# KiCad board AudioYM2151V2.kicad_pcb
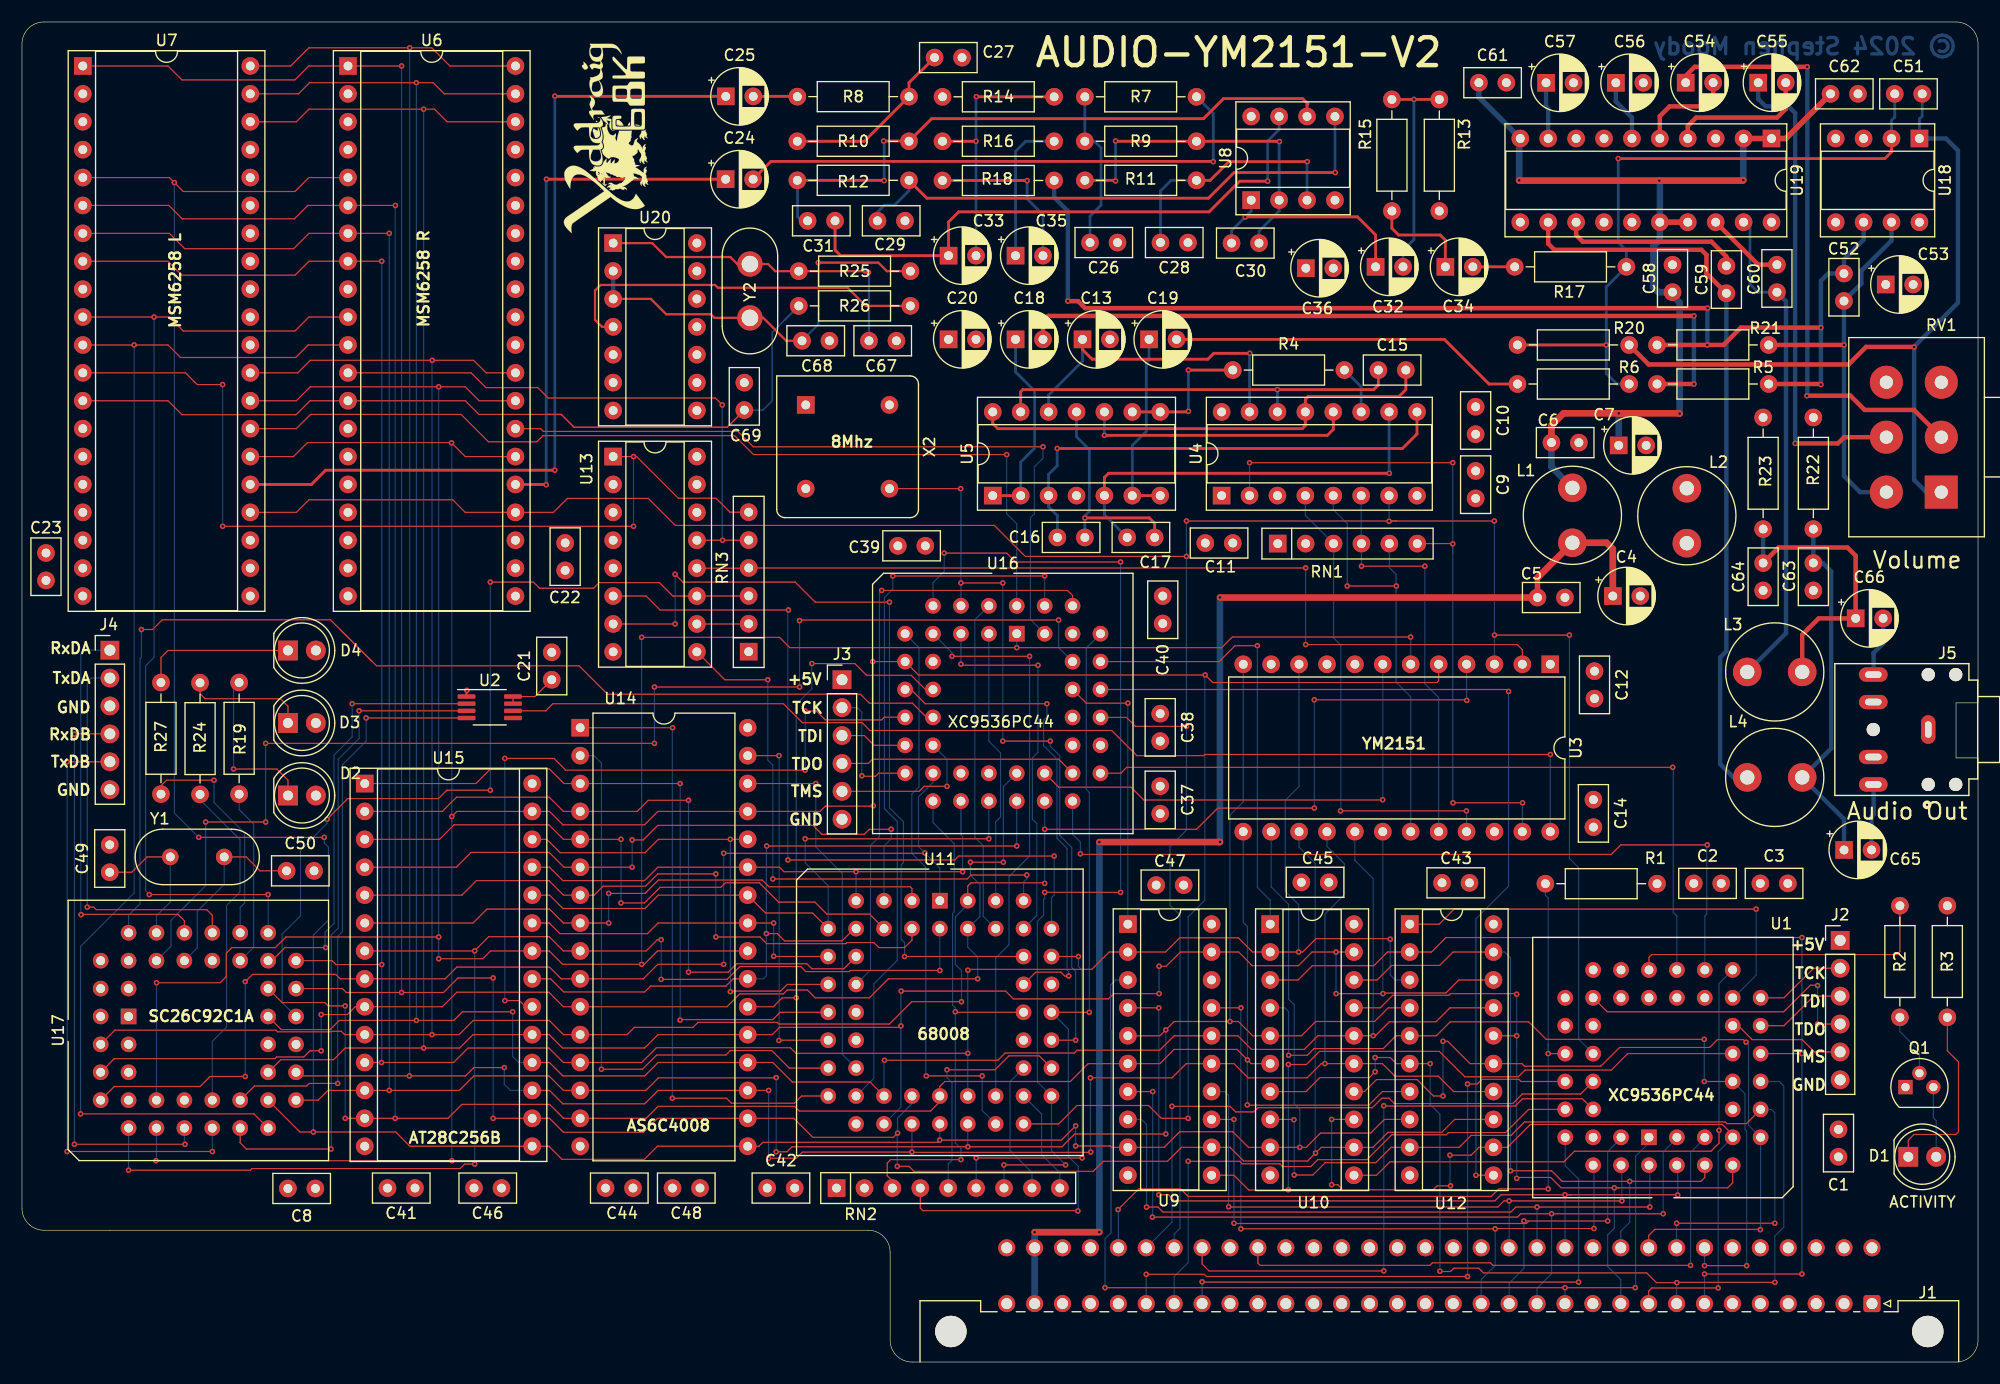
[diagram p0: board, top side]
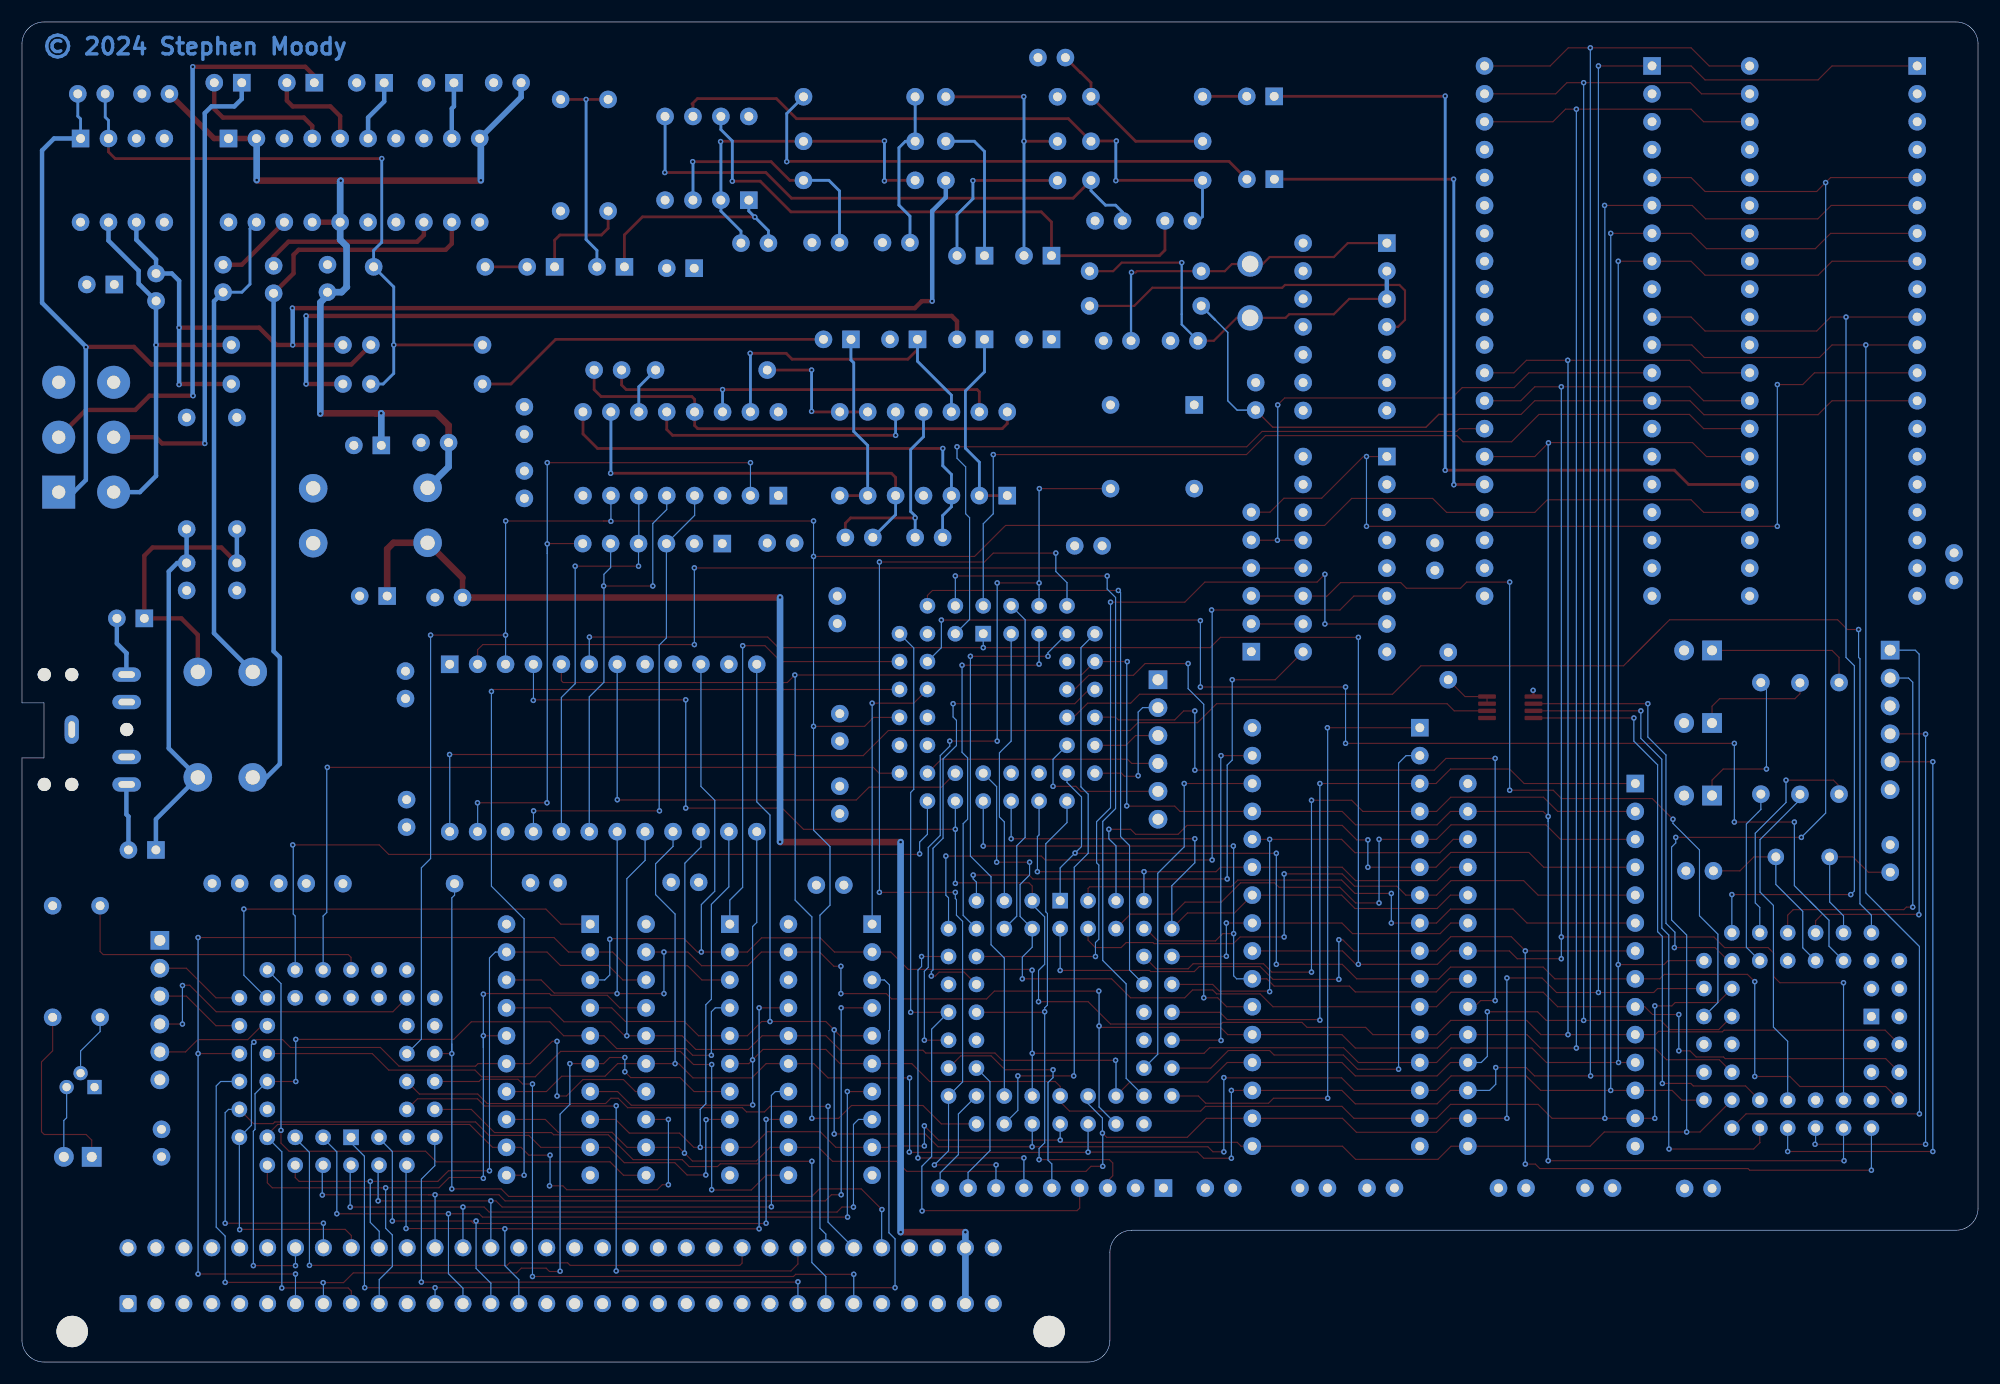
[diagram p1: board, bottom side, seen from below]

Outline 178 x 122 mm; copper layers: Top, In1.Cu (plane), In2.Cu (plane), Bottom. Coordinates in mm from the lower left corner of the outline.
Outline path: 0,120 0,14 arc(0.59,12.59) 2,12 77,12 arc(78.41,11.41) 79,10 79,2 arc(79.59,0.59) 81,0 176,0 arc(177.41,0.59) 178,2 178,55 176,55 176,60.01 178,60.01 178,120 arc(177.41,121.41) 176,122 2,122 arc(0.59,121.41) 0,120
Stack: Top 0.035mm / dielectric 0.48mm FR4 er 4.5 / In1.Cu 0.035mm / dielectric 0.48mm FR4 er 4.5 / In2.Cu 0.035mm / dielectric 0.48mm FR4 er 4.5 / Bottom 0.035mm

## Placement (name value [footprint] x y rotation side)
C1  100nF  [C_Disc_D5.0mm_W2.5mm_P2.50mm]  165.3 21.18 270 top
C2  100nF  [C_Disc_D5.0mm_W2.5mm_P2.50mm]  152.13 43.57 0 top
C3  100nF  [C_Disc_D5.0mm_W2.5mm_P2.50mm]  158.19 43.57 0 top
C4  10uF  [CP_Radial_D5.0mm_P2.50mm]  144.77 69.74 0 top
C5  100nF  [C_Disc_D5.0mm_W2.5mm_P2.50mm]  137.91 69.6 0 top
C6  100nF  [C_Disc_D5.0mm_W2.5mm_P2.50mm]  139.18 83.71 0 top
C7  10uF  [CP_Radial_D5.0mm_P2.50mm]  145.3 83.45 0 top
C8  10nF  [C_Disc_D5.0mm_W2.5mm_P2.50mm]  26.7 15.8 180 top
C9  100nF  [C_Disc_D5.0mm_W2.5mm_P2.50mm]  132.28 81.13 270 top
C10  100nF  [C_Disc_D5.0mm_W2.5mm_P2.50mm]  132.28 86.97 270 top
C11  100nF  [C_Disc_D5.0mm_W2.5mm_P2.50mm]  107.68 74.56 0 top
C12  100nF  [C_Disc_D5.0mm_W2.5mm_P2.50mm]  143.1 62.9 270 top
C13  10uF  [CP_Radial_D5.0mm_P2.50mm]  96.51 93.1 0 top
C14  100nF  [C_Disc_D5.0mm_W2.5mm_P2.50mm]  143 51.2 270 top
C15  1nF  [C_Disc_D5.0mm_W2.5mm_P2.50mm]  125.93 90.31 180 top
C16  10nF  [C_Disc_D5.0mm_W2.5mm_P2.50mm]  96.72 75.07 180 top
C17  10nF  [C_Disc_D5.0mm_W2.5mm_P2.50mm]  103.07 75.07 180 top
C18  4.7uF  [CP_Radial_D5.0mm_P2.50mm]  90.41 93.1 0 top
C19  4.7uF  [CP_Radial_D5.0mm_P2.50mm]  102.56 93.1 0 top
C20  220uF  [CP_Radial_D5.0mm_P2.50mm]  84.32 93.1 0 top
C21  100nF  [C_Disc_D5.0mm_W2.5mm_P2.50mm]  48.21 62.12 90 top
C22  100nF  [C_Disc_D5.0mm_W2.5mm_P2.50mm]  49.43 74.57 270 top
C23  100nF  [C_Disc_D5.0mm_W2.5mm_P2.50mm]  2.18 71.16 90 top
C24  4.7uF  [CP_Radial_D5.0mm_P2.50mm]  64.03 107.68 0 top
C25  4.7uF  [CP_Radial_D5.0mm_P2.50mm]  64.05 115.23 0 top
C26  560pF  [C_Disc_D5.0mm_W2.5mm_P2.50mm]  97.19 101.92 0 top
C27  560pF  [C_Disc_D5.0mm_W2.5mm_P2.50mm]  83.05 118.76 0 top
C28  180pF  [C_Disc_D5.0mm_W2.5mm_P2.50mm]  103.61 101.92 0 top
C29  180pF  [C_Disc_D5.0mm_W2.5mm_P2.50mm]  77.85 103.9 0 top
C30  1.2nF  [C_Disc_D5.0mm_W2.5mm_P2.50mm]  110.07 101.87 0 top
C31  1.2nF  [C_Disc_D5.0mm_W2.5mm_P2.50mm]  71.49 103.9 0 top
C32  0.47uF  [CP_Radial_D5.0mm_P2.50mm]  123.18 99.71 0 top
C33  0.47uF  [CP_Radial_D5.0mm_P2.50mm]  84.32 100.72 0 top
C34  0.47uF  [CP_Radial_D5.0mm_P2.50mm]  129.53 99.71 0 top
C35  0.47uF  [CP_Radial_D5.0mm_P2.50mm]  90.41 100.72 0 top
C36  220uF  [CP_Radial_D5.0mm_P2.50mm]  116.83 99.58 0 top
C37  100nF  [C_Disc_D5.0mm_W2.5mm_P2.50mm]  103.58 52.42 270 top
C38  100nF  [C_Disc_D5.0mm_W2.5mm_P2.50mm]  103.58 59.03 270 top
C39  100nF  [C_Disc_D5.0mm_W2.5mm_P2.50mm]  79.7 74.31 0 top
C40  100nF  [C_Disc_D5.0mm_W2.5mm_P2.50mm]  103.81 67.24 90 top
C41  100nF  [C_Disc_D5.0mm_W2.5mm_P2.50mm]  33.26 15.84 0 top
C42  100nF  [C_Disc_D5.0mm_W2.5mm_P2.50mm]  67.82 15.84 0 top
C43  100nF  [C_Disc_D5.0mm_W2.5mm_P2.50mm]  131.72 43.62 180 top
C44  100nF  [C_Disc_D5.0mm_W2.5mm_P2.50mm]  53.1 15.84 0 top
C45  100nF  [C_Disc_D5.0mm_W2.5mm_P2.50mm]  118.92 43.68 180 top
C46  100nF  [C_Disc_D5.0mm_W2.5mm_P2.50mm]  41.14 15.84 0 top
C47  100nF  [C_Disc_D5.0mm_W2.5mm_P2.50mm]  105.71 43.42 180 top
C48  100nF  [C_Disc_D5.0mm_W2.5mm_P2.50mm]  59.2 15.84 0 top
C49  22pF  [C_Disc_D5.0mm_W2.5mm_P2.50mm]  7.99 44.59 90 top
C50  22pF  [C_Disc_D5.0mm_W2.5mm_P2.50mm]  24.08 44.72 0 top
C51  1.8nF  [C_Disc_D5.0mm_W2.5mm_P2.50mm]  170.42 115.46 0 top
C52  1.8nF  [C_Disc_D5.0mm_W2.5mm_P2.50mm]  165.8 99.1 270 top
C53  220uF  [CP_Radial_D5.0mm_P2.50mm]  169.6 98.1 0 top
C54  47uF  [CP_Radial_D5.0mm_P2.50mm]  151.4 116.47 0 top
C55  47uF  [CP_Radial_D5.0mm_P2.50mm]  158 116.47 0 top
C56  1uF  [CP_Radial_D5.0mm_P2.50mm]  145.04 116.46 0 top
C57  1uF  [CP_Radial_D5.0mm_P2.50mm]  138.69 116.46 0 top
C58  100nF  [C_Disc_D5.0mm_W2.5mm_P2.50mm]  150.2 97.4 90 top
C59  220nF  [C_Disc_D5.0mm_W2.5mm_P2.50mm]  155.1 97.3 90 top
C60  220nF  [C_Disc_D5.0mm_W2.5mm_P2.50mm]  159.7 97.4 90 top
C61  100nF  [C_Disc_D5.0mm_W2.5mm_P2.50mm]  132.58 116.47 0 top
C62  100nF  [C_Disc_D5.0mm_W2.5mm_P2.50mm]  164.58 115.46 0 top
C63  680nF  [C_Disc_D5.0mm_W2.5mm_P2.50mm]  163.02 70.24 90 top
C64  680nF  [C_Disc_D5.0mm_W2.5mm_P2.50mm]  158.44 70.24 90 top
C65  470uF  [CP_Radial_D5.0mm_P2.50mm]  165.81 46.62 0 top
C66  470uF  [CP_Radial_D5.0mm_P2.50mm]  166.87 67.7 0 top
C67  15pF  [C_Disc_D5.0mm_W2.5mm_P2.50mm]  77.08 92.98 0 top
C68  15pF  [C_Disc_D5.0mm_W2.5mm_P2.50mm]  70.98 92.98 0 top
C69  5pF  [C_Disc_D5.0mm_W2.5mm_P2.50mm]  65.73 86.67 90 top
D1  LED  [LED_D5.0mm]  171.65 18.68 0 top
D2  LED  [LED_D5.0mm]  24.2 51.58 0 top
D3  LED  [LED_D5.0mm]  24.2 58.18 0 top
D4  LED  [LED_D5.0mm]  24.2 64.78 0 top
G***  LOGO  [Ddraig68k-17mm]  52.99 111.52 90 top
J1  D68K_64PIN_BOARD  [DIN41612_C_2x32_Male_Horizontal_THT]  168.35 5.32 180 top
J2  JTAG  [PinHeader_1x06_P2.54mm_Vertical]  165.45 38.39 0 top
J3  JTAG_68K  [PinHeader_1x06_P2.54mm_Vertical]  74.62 62.12 0 top
J4  Serial Out  [PinHeader_1x06_P2.54mm_Vertical]  8 64.81 0 top
J5  35RAPC4BHN2  [SWITCHCRAFT_35RAPC4BHN2]  172.47 57.58 90 top
L1  22uH  [L_Radial_D8.7mm_P5.00mm_Fastron_07HCP]  141.09 79.59 270 top
L2  22uH  [L_Radial_D8.7mm_P5.00mm_Fastron_07HCP]  151.5 79.55 270 top
L3  22uH  [L_Radial_D8.7mm_P5.00mm_Fastron_07HCP]  157 62.83 0 top
L4  22uH  [L_Radial_D8.7mm_P5.00mm_Fastron_07HCP]  157 53.23 0 top
Q1  2N4403  [TO-92]  171.4 25.03 0 top
R1  10K  [R_Axial_DIN0207_L6.3mm_D2.5mm_P10.16mm_Horizontal]  138.63 43.55 0 top
R2  10K  [R_Axial_DIN0207_L6.3mm_D2.5mm_P10.16mm_Horizontal]  170.89 31.38 90 top
R3  220R  [R_Axial_DIN0207_L6.3mm_D2.5mm_P10.16mm_Horizontal]  175.21 31.38 90 top
R4  560R  [R_Axial_DIN0207_L6.3mm_D2.5mm_P10.16mm_Horizontal]  110.18 90.31 0 top
R5  3K9  [R_Axial_DIN0207_L6.3mm_D2.5mm_P10.16mm_Horizontal]  148.79 89.04 0 top
R6  3K9  [R_Axial_DIN0207_L6.3mm_D2.5mm_P10.16mm_Horizontal]  136.09 89.04 0 top
R7  68K  [R_Axial_DIN0207_L6.3mm_D2.5mm_P10.16mm_Horizontal]  96.72 115.19 0 top
R8  68K  [R_Axial_DIN0207_L6.3mm_D2.5mm_P10.16mm_Horizontal]  70.56 115.2 0 top
R9  68K  [R_Axial_DIN0207_L6.3mm_D2.5mm_P10.16mm_Horizontal]  96.72 111.14 0 top
R10  68K  [R_Axial_DIN0207_L6.3mm_D2.5mm_P10.16mm_Horizontal]  70.56 111.14 0 top
R11  68K  [R_Axial_DIN0207_L6.3mm_D2.5mm_P10.16mm_Horizontal]  96.72 107.58 0 top
R12  68K  [R_Axial_DIN0207_L6.3mm_D2.5mm_P10.16mm_Horizontal]  70.56 107.58 0 top
R13  33K  [R_Axial_DIN0207_L6.3mm_D2.5mm_P10.16mm_Horizontal]  128.98 104.79 90 top
R14  33K  [R_Axial_DIN0207_L6.3mm_D2.5mm_P10.16mm_Horizontal]  83.77 115.19 0 top
R15  1K5  [R_Axial_DIN0207_L6.3mm_D2.5mm_P10.16mm_Horizontal]  124.66 114.95 270 top
R16  1K5  [R_Axial_DIN0207_L6.3mm_D2.5mm_P10.16mm_Horizontal]  83.77 111.14 0 top
R17  2K2  [R_Axial_DIN0207_L6.3mm_D2.5mm_P10.16mm_Horizontal]  135.84 99.71 0 top
R18  2K2  [R_Axial_DIN0207_L6.3mm_D2.5mm_P10.16mm_Horizontal]  83.77 107.57 0 top
R19  330R  [R_Axial_DIN0207_L6.3mm_D2.5mm_P10.16mm_Horizontal]  19.76 61.86 270 top
R20  4K7  [R_Axial_DIN0207_L6.3mm_D2.5mm_P10.16mm_Horizontal]  136.09 92.6 0 top
R21  4K7  [R_Axial_DIN0207_L6.3mm_D2.5mm_P10.16mm_Horizontal]  148.79 92.6 0 top
R22  4K7  [R_Axial_DIN0207_L6.3mm_D2.5mm_P10.16mm_Horizontal]  163.02 75.83 90 top
R23  4K7  [R_Axial_DIN0207_L6.3mm_D2.5mm_P10.16mm_Horizontal]  158.44 75.83 90 top
R24  330R  [R_Axial_DIN0207_L6.3mm_D2.5mm_P10.16mm_Horizontal]  16.2 61.84 270 top
R25  4M7  [R_Axial_DIN0207_L6.3mm_D2.5mm_P10.16mm_Horizontal]  70.69 99.31 0 top
R26  2K2  [R_Axial_DIN0207_L6.3mm_D2.5mm_P10.16mm_Horizontal]  70.69 96.15 0 top
R27  330R  [R_Axial_DIN0207_L6.3mm_D2.5mm_P10.16mm_Horizontal]  12.65 61.86 270 top
RN1  4K7  [R_Array_SIP6]  114.27 74.51 0 top
RN2  4K7  [R_Array_SIP9]  74.13 15.84 0 top
RN3  R_Network05  [R_Array_SIP6]  66.13 64.67 90 top
RV1  10K  [Potentiometer_Alps_RK163_Dual_Horizontal]  174.66 79.2 180 top
U1  XC9536PC44  [PLCC-44_THT-Socket]  148.06 20.46 180 top
U2  LTC6903  [MSOP-8_3x3mm_P0.65mm]  42.57 59.61 0 top
U3  YM2151  [DIP-24_W15.24mm]  139.07 63.53 270 top
U4  YM3012  [DIP-16_W7.62mm_Socket]  109.17 78.88 90 top
U5  TL064  [DIP-14_W7.62mm_Socket]  88.34 78.88 90 top
U6  MSM6258  [DIP-40_W15.24mm_Socket]  29.67 118 0 top
U7  MSM6258  [DIP-40_W15.24mm_Socket]  5.54 118 0 top
U8  TL062  [DIP-8_W7.62mm_Socket]  111.86 105.78 90 top
U9  74LS374  [DIP-20_W7.62mm_Socket]  100.63 39.87 0 top
U10  74LS374  [DIP-20_W7.62mm_Socket]  113.59 39.87 0 top
U11  68008  [PLCC-52_THT-Socket]  83.52 42 0 top
U12  74LS374  [DIP-20_W7.62mm_Socket]  126.29 39.87 0 top
U13  74LS148  [DIP-16_W7.62mm_Socket]  53.8 82.44 0 top
U14  AS6C4008-55PCN  [DIP-32_W15.24mm]  50.8 57.75 0 top
U15  AT28C256B  [DIP-28_W15.24mm_Socket]  31.19 52.67 0 top
U16  XC9536PC44  [PLCC-44_THT-Socket]  90.52 66.31 0 top
U17  SC26C92C1A  [PLCC-44_THT-Socket]  9.7 31.46 90 top
U18  TL062  [DIP-8_W7.62mm_Socket]  172.67 111.39 270 top
U19  TPA3122D2  [DIP-20_W7.62mm_Socket]  159.21 111.39 270 top
U20  74HCT04  [DIP-14_W7.62mm_Socket]  53.8 101.87 0 top
X2  8Mhz  [Oscillator_DIP-8]  71.32 87.13 270 top
Y1  3.6864Mhz  [Crystal_HC18-U_Vertical]  13.5 45.99 0 top
Y2  4.096hz  [Crystal_HC50_Vertical]  66.24 95.06 90 top

## Library data of the parts
C1-C3 C5 C6 C8-C12 C14-C17 C21-C23 C26-C31 C37-C52 C58-C64 C67-C69 = -: ki_fp_filters: C_*
C4 C7 C13 C18-C20 C24 C25 C32-C36 C53-C57 C65 C66 = -: ki_fp_filters: CP_*
D1-D4 = -: ki_fp_filters: LED* LED_SMD:* LED_THT:*
J2-J4 = -: ki_fp_filters: Connector*:*_1x??_*
J5 = -: DESCRIPTION: Conn 3.5MM Stereo Jack F 5 POS Solder RA Thru-Hole 5 Terminal 1 Port
L1-L4 = -: ki_fp_filters: Choke_* *Coil* Inductor_* L_*
R1-R27 = -: ki_fp_filters: R_*
RN1-RN3 = -: Datasheet: http://www.vishay.com/docs/31509/csc.pdf; ki_fp_filters: R?Array?SIP*
RV1 = -: ki_fp_filters: Potentiometer*
U1 U16 = -: Datasheet: xilinx/xc9536.pdf
U5 = -: Datasheet: http://www.ti.com/lit/ds/symlink/tl061.pdf; ki_fp_filters: SOIC*3.9x8.7mm*P1.27mm* DIP*W7.62mm* TSSOP*4.4x5mm*P0.65mm* SSOP*5.3x6.2mm*P0.65mm* MSOP*3x3mm*P0.5mm*
U8 U18 = -: Datasheet: http://www.ti.com/lit/ds/symlink/tl061.pdf; ki_fp_filters: SOIC*3.9x4.9mm*P1.27mm* DIP*W7.62mm* TO*99* OnSemi*Micro8* TSSOP*3x3mm*P0.65mm* TSSOP*4.4x3mm*P0.65mm* MSOP*3x3mm*P0.65mm* SSOP*3.9x4.9mm*P0.635mm* LFCSP*2x2mm*P0.5mm* *SIP* SOIC*5.3x6.2mm*P1.27mm*
U9 U10 U12 = -: Datasheet: http://www.ti.com/lit/gpn/sn74LS374; ki_fp_filters: DIP?20* SOIC?20* SO?20*
U13 = -: Datasheet: http://www.ti.com/lit/gpn/sn74LS148; ki_fp_filters: DIP?16*
U14 = -: Datasheet: https://www.alliancememory.com/wp-content/uploads/pdf/AS6C4008.pdf; ki_fp_filters: DIP*W15.24mm*
U20 = -: Datasheet: https://assets.nexperia.com/documents/data-sheet/74HC_HCT04.pdf; ki_fp_filters: DIP*W7.62mm* SSOP?14* TSSOP?14*
X2 = -: Datasheet: http://cdn-reichelt.de/documents/datenblatt/B400/OSZI.pdf; ki_fp_filters: Oscillator*DIP*8*
Y1 Y2 = -: ki_fp_filters: Crystal*

## Footprints (pads in the part's own frame, mm; a bottom-side part is the same pattern mirrored in y, then rotated)
C_Disc_D5.0mm_W2.5mm_P2.50mm
  round 1.6 hole 0.8: 1(0,0) 2(2.5,0)
CP_Radial_D5.0mm_P2.50mm
  rect 1.6x1.6 hole 0.8: 1(0,0)
  round 1.6 hole 0.8: 2(2.5,0)
Crystal_HC18-U_Vertical
  round 1.5 hole 0.8: 1(0,0) 2(4.9,0)
Crystal_HC50_Vertical
  round 2.3 hole 1.5: 1(0,0) 2(4.9,0)
DIN41612_C_2x32_Male_Horizontal_THT
  round 2.85 hole 2.85 unplated: (-5.08,2.54) (83.82,2.54)
  rrect 1.55x1.55 hole 1: A1(0,0)
  round 1.55 hole 1: A2(2.54,0) A3(5.08,0) A4(7.62,0) A5(10.16,0) A6(12.7,0) A7(15.24,0) A8(17.78,0) A9(20.32,0) A10(22.86,0) A11(25.4,0) A12(27.94,0) A13(30.48,0) A14(33.02,0) A15(35.56,0) A16(38.1,0) A17(40.64,0) A18(43.18,0) A19(45.72,0) A20(48.26,0) A21(50.8,0) A22(53.34,0) A23(55.88,0) A24(58.42,0) A25(60.96,0) A26(63.5,0) A27(66.04,0) A28(68.58,0) A29(71.12,0) A30(73.66,0) A31(76.2,0) A32(78.74,0) C1(0,-5.08) C2(2.54,-5.08) C3(5.08,-5.08) C4(7.62,-5.08) C5(10.16,-5.08) C6(12.7,-5.08) C7(15.24,-5.08) C8(17.78,-5.08) C9(20.32,-5.08) C10(22.86,-5.08) C11(25.4,-5.08) C12(27.94,-5.08) C13(30.48,-5.08) C14(33.02,-5.08) C15(35.56,-5.08) C16(38.1,-5.08) C17(40.64,-5.08) C18(43.18,-5.08) C19(45.72,-5.08) C20(48.26,-5.08) C21(50.8,-5.08) C22(53.34,-5.08) C23(55.88,-5.08) C24(58.42,-5.08) C25(60.96,-5.08) C26(63.5,-5.08) C27(66.04,-5.08) C28(68.58,-5.08) C29(71.12,-5.08) C30(73.66,-5.08) C31(76.2,-5.08) C32(78.74,-5.08)
DIP-8_W7.62mm_Socket
  rect 1.6x1.6 hole 0.8: 1(0,0)
  oval 1.6x1.6 hole 0.8: 2(0,-2.54) 3(0,-5.08) 4(0,-7.62) 5(7.62,-7.62) 6(7.62,-5.08) 7(7.62,-2.54) 8(7.62,0)
DIP-14_W7.62mm_Socket
  rect 1.6x1.6 hole 0.8: 1(0,0)
  oval 1.6x1.6 hole 0.8: 2(0,-2.54) 3(0,-5.08) 4(0,-7.62) 5(0,-10.16) 6(0,-12.7) 7(0,-15.24) 8(7.62,-15.24) 9(7.62,-12.7) 10(7.62,-10.16) 11(7.62,-7.62) 12(7.62,-5.08) 13(7.62,-2.54) 14(7.62,0)
DIP-16_W7.62mm_Socket
  rect 1.6x1.6 hole 0.8: 1(0,0)
  oval 1.6x1.6 hole 0.8: 2(0,-2.54) 3(0,-5.08) 4(0,-7.62) 5(0,-10.16) 6(0,-12.7) 7(0,-15.24) 8(0,-17.78) 9(7.62,-17.78) 10(7.62,-15.24) 11(7.62,-12.7) 12(7.62,-10.16) 13(7.62,-7.62) 14(7.62,-5.08) 15(7.62,-2.54) 16(7.62,0)
DIP-20_W7.62mm_Socket
  rect 1.6x1.6 hole 0.8: 1(0,0)
  oval 1.6x1.6 hole 0.8: 2(0,-2.54) 3(0,-5.08) 4(0,-7.62) 5(0,-10.16) 6(0,-12.7) 7(0,-15.24) 8(0,-17.78) 9(0,-20.32) 10(0,-22.86) 11(7.62,-22.86) 12(7.62,-20.32) 13(7.62,-17.78) 14(7.62,-15.24) 15(7.62,-12.7) 16(7.62,-10.16) 17(7.62,-7.62) 18(7.62,-5.08) 19(7.62,-2.54) 20(7.62,0)
DIP-24_W15.24mm
  rect 1.6x1.6 hole 0.8: 1(0,0)
  oval 1.6x1.6 hole 0.8: 2(0,-2.54) 3(0,-5.08) 4(0,-7.62) 5(0,-10.16) 6(0,-12.7) 7(0,-15.24) 8(0,-17.78) 9(0,-20.32) 10(0,-22.86) 11(0,-25.4) 12(0,-27.94) 13(15.24,-27.94) 14(15.24,-25.4) 15(15.24,-22.86) 16(15.24,-20.32) 17(15.24,-17.78) 18(15.24,-15.24) 19(15.24,-12.7) 20(15.24,-10.16) 21(15.24,-7.62) 22(15.24,-5.08) 23(15.24,-2.54) 24(15.24,0)
DIP-28_W15.24mm_Socket
  rect 1.6x1.6 hole 0.8: 1(0,0)
  oval 1.6x1.6 hole 0.8: 2(0,-2.54) 3(0,-5.08) 4(0,-7.62) 5(0,-10.16) 6(0,-12.7) 7(0,-15.24) 8(0,-17.78) 9(0,-20.32) 10(0,-22.86) 11(0,-25.4) 12(0,-27.94) 13(0,-30.48) 14(0,-33.02) 15(15.24,-33.02) 16(15.24,-30.48) 17(15.24,-27.94) 18(15.24,-25.4) 19(15.24,-22.86) 20(15.24,-20.32) 21(15.24,-17.78) 22(15.24,-15.24) 23(15.24,-12.7) 24(15.24,-10.16) 25(15.24,-7.62) 26(15.24,-5.08) 27(15.24,-2.54) 28(15.24,0)
DIP-32_W15.24mm
  rect 1.6x1.6 hole 0.8: 1(0,0)
  oval 1.6x1.6 hole 0.8: 2(0,-2.54) 3(0,-5.08) 4(0,-7.62) 5(0,-10.16) 6(0,-12.7) 7(0,-15.24) 8(0,-17.78) 9(0,-20.32) 10(0,-22.86) 11(0,-25.4) 12(0,-27.94) 13(0,-30.48) 14(0,-33.02) 15(0,-35.56) 16(0,-38.1) 17(15.24,-38.1) 18(15.24,-35.56) 19(15.24,-33.02) 20(15.24,-30.48) 21(15.24,-27.94) 22(15.24,-25.4) 23(15.24,-22.86) 24(15.24,-20.32) 25(15.24,-17.78) 26(15.24,-15.24) 27(15.24,-12.7) 28(15.24,-10.16) 29(15.24,-7.62) 30(15.24,-5.08) 31(15.24,-2.54) 32(15.24,0)
DIP-40_W15.24mm_Socket
  rect 1.6x1.6 hole 0.8: 1(0,0)
  oval 1.6x1.6 hole 0.8: 2(0,-2.54) 3(0,-5.08) 4(0,-7.62) 5(0,-10.16) 6(0,-12.7) 7(0,-15.24) 8(0,-17.78) 9(0,-20.32) 10(0,-22.86) 11(0,-25.4) 12(0,-27.94) 13(0,-30.48) 14(0,-33.02) 15(0,-35.56) 16(0,-38.1) 17(0,-40.64) 18(0,-43.18) 19(0,-45.72) 20(0,-48.26) 21(15.24,-48.26) 22(15.24,-45.72) 23(15.24,-43.18) 24(15.24,-40.64) 25(15.24,-38.1) 26(15.24,-35.56) 27(15.24,-33.02) 28(15.24,-30.48) 29(15.24,-27.94) 30(15.24,-25.4) 31(15.24,-22.86) 32(15.24,-20.32) 33(15.24,-17.78) 34(15.24,-15.24) 35(15.24,-12.7) 36(15.24,-10.16) 37(15.24,-7.62) 38(15.24,-5.08) 39(15.24,-2.54) 40(15.24,0)
L_Radial_D8.7mm_P5.00mm_Fastron_07HCP
  round 2.6 hole 1.3: 1(0,0) 2(5,0)
LED_D5.0mm
  rect 1.8x1.8 hole 0.9: 1(0,0)
  round 1.8 hole 0.9: 2(2.54,0)
MSOP-8_3x3mm_P0.65mm
  rrect 1.625x0.4 smd: 1(-2.112,0.975) 2(-2.112,0.325) 3(-2.112,-0.325) 4(-2.112,-0.975) 5(2.112,-0.975) 6(2.112,-0.325) 7(2.112,0.325) 8(2.112,0.975)
Oscillator_DIP-8
  rect 1.6x1.6 hole 0.8: 1(0,0)
  round 1.6 hole 0.8: 4(7.62,0) 5(7.62,7.62) 8(0,7.62)
PinHeader_1x06_P2.54mm_Vertical
  rect 1.7x1.7 hole 1: 1(0,0)
  oval 1.7x1.7 hole 1: 2(0,-2.54) 3(0,-5.08) 4(0,-7.62) 5(0,-10.16) 6(0,-12.7)
PLCC-44_THT-Socket
  rect 1.422x1.422 hole 0.8: 1(0,0)
  round 1.422 hole 0.8: 2(-2.54,2.54) 3(-2.54,0) 4(-5.08,2.54) 5(-5.08,0) 6(-7.62,2.54) 7(-10.16,0) 8(-7.62,0) 9(-10.16,-2.54) 10(-7.62,-2.54) 11(-10.16,-5.08) 12(-7.62,-5.08) 13(-10.16,-7.62) 14(-7.62,-7.62) 15(-10.16,-10.16) 16(-7.62,-10.16) 17(-10.16,-12.7) 18(-7.62,-15.24) 19(-7.62,-12.7) 20(-5.08,-15.24) 21(-5.08,-12.7) 22(-2.54,-15.24) 23(-2.54,-12.7) 24(0,-15.24) 25(0,-12.7) 26(2.54,-15.24) 27(2.54,-12.7) 28(5.08,-15.24) 29(7.62,-12.7) 30(5.08,-12.7) 31(7.62,-10.16) 32(5.08,-10.16) 33(7.62,-7.62) 34(5.08,-7.62) 35(7.62,-5.08) 36(5.08,-5.08) 37(7.62,-2.54) 38(5.08,-2.54) 39(7.62,0) 40(5.08,2.54) 41(5.08,0) 42(2.54,2.54) 43(2.54,0) 44(0,2.54)
PLCC-52_THT-Socket
  rect 1.422x1.422 hole 0.8: 1(0,0)
  round 1.422 hole 0.8: 2(0,-2.54) 3(-2.54,0) 4(-2.54,-2.54) 5(-5.08,0) 6(-5.08,-2.54) 7(-7.62,0) 8(-10.16,-2.54) 9(-7.62,-2.54) 10(-10.16,-5.08) 11(-7.62,-5.08) 12(-10.16,-7.62) 13(-7.62,-7.62) 14(-10.16,-10.16) 15(-7.62,-10.16) 16(-10.16,-12.7) 17(-7.62,-12.7) 18(-10.16,-15.24) 19(-7.62,-15.24) 20(-10.16,-17.78) 21(-7.62,-20.32) 22(-7.62,-17.78) 23(-5.08,-20.32) 24(-5.08,-17.78) 25(-2.54,-20.32) 26(-2.54,-17.78) 27(0,-20.32) 28(0,-17.78) 29(2.54,-20.32) 30(2.54,-17.78) 31(5.08,-20.32) 32(5.08,-17.78) 33(7.62,-20.32) 34(10.16,-17.78) 35(7.62,-17.78) 36(10.16,-15.24) 37(7.62,-15.24) 38(10.16,-12.7) 39(7.62,-12.7) 40(10.16,-10.16) 41(7.62,-10.16) 42(10.16,-7.62) 43(7.62,-7.62) 44(10.16,-5.08) 45(7.62,-5.08) 46(10.16,-2.54) 47(7.62,0) 48(7.62,-2.54) 49(5.08,0) 50(5.08,-2.54) 51(2.54,0) 52(2.54,-2.54)
Potentiometer_Alps_RK163_Dual_Horizontal
  rect 3x3 hole 1.2: 1(0,0)
  round 3 hole 1.2: 2(0,-5) 3(0,-10) 4(5,0) 5(5,-5) 6(5,-10)
R_Array_SIP6
  rect 1.6x1.6 hole 0.8: 1(0,0)
  oval 1.6x1.6 hole 0.8: 2(2.54,0) 3(5.08,0) 4(7.62,0) 5(10.16,0) 6(12.7,0)
R_Array_SIP9
  rect 1.6x1.6 hole 0.8: 1(0,0)
  oval 1.6x1.6 hole 0.8: 2(2.54,0) 3(5.08,0) 4(7.62,0) 5(10.16,0) 6(12.7,0) 7(15.24,0) 8(17.78,0) 9(20.32,0)
R_Axial_DIN0207_L6.3mm_D2.5mm_P10.16mm_Horizontal
  round 1.6 hole 0.8: 1(0,0)
  oval 1.6x1.6 hole 0.8: 2(10.16,0)
SWITCHCRAFT_35RAPC4BHN2
  round 1.2 hole 1.2 unplated: (-5,-1) (-5,-3.5) (0,4) (5,-1) (5,-3.5)
  oval 2.6x1.3 hole 1.5x0.6: 1(0,-1)
  oval 1.3x2.6 hole 0.6x1.5: 2(5,4) 3(-5,4) 10(2.5,4) 11(-2.5,4)
TO-92
  rect 1.3x1.3 hole 0.75: 1(0,0)
  round 1.3 hole 0.75: 2(1.27,1.27) 3(2.54,0)
